# Altium PCB SEG_pressure gauge_don  V2.4.PcbDoc (part 2 of 4)
Units mil, origin at the board's own origin, x right, y up, seen from the top; angles counter-clockwise.
Board outline 2671.27 x 2667.03 mil, 2 copper layers (Top Layer, Bottom Layer); 42 components, 48 nets, 145 pads, 29 vias.
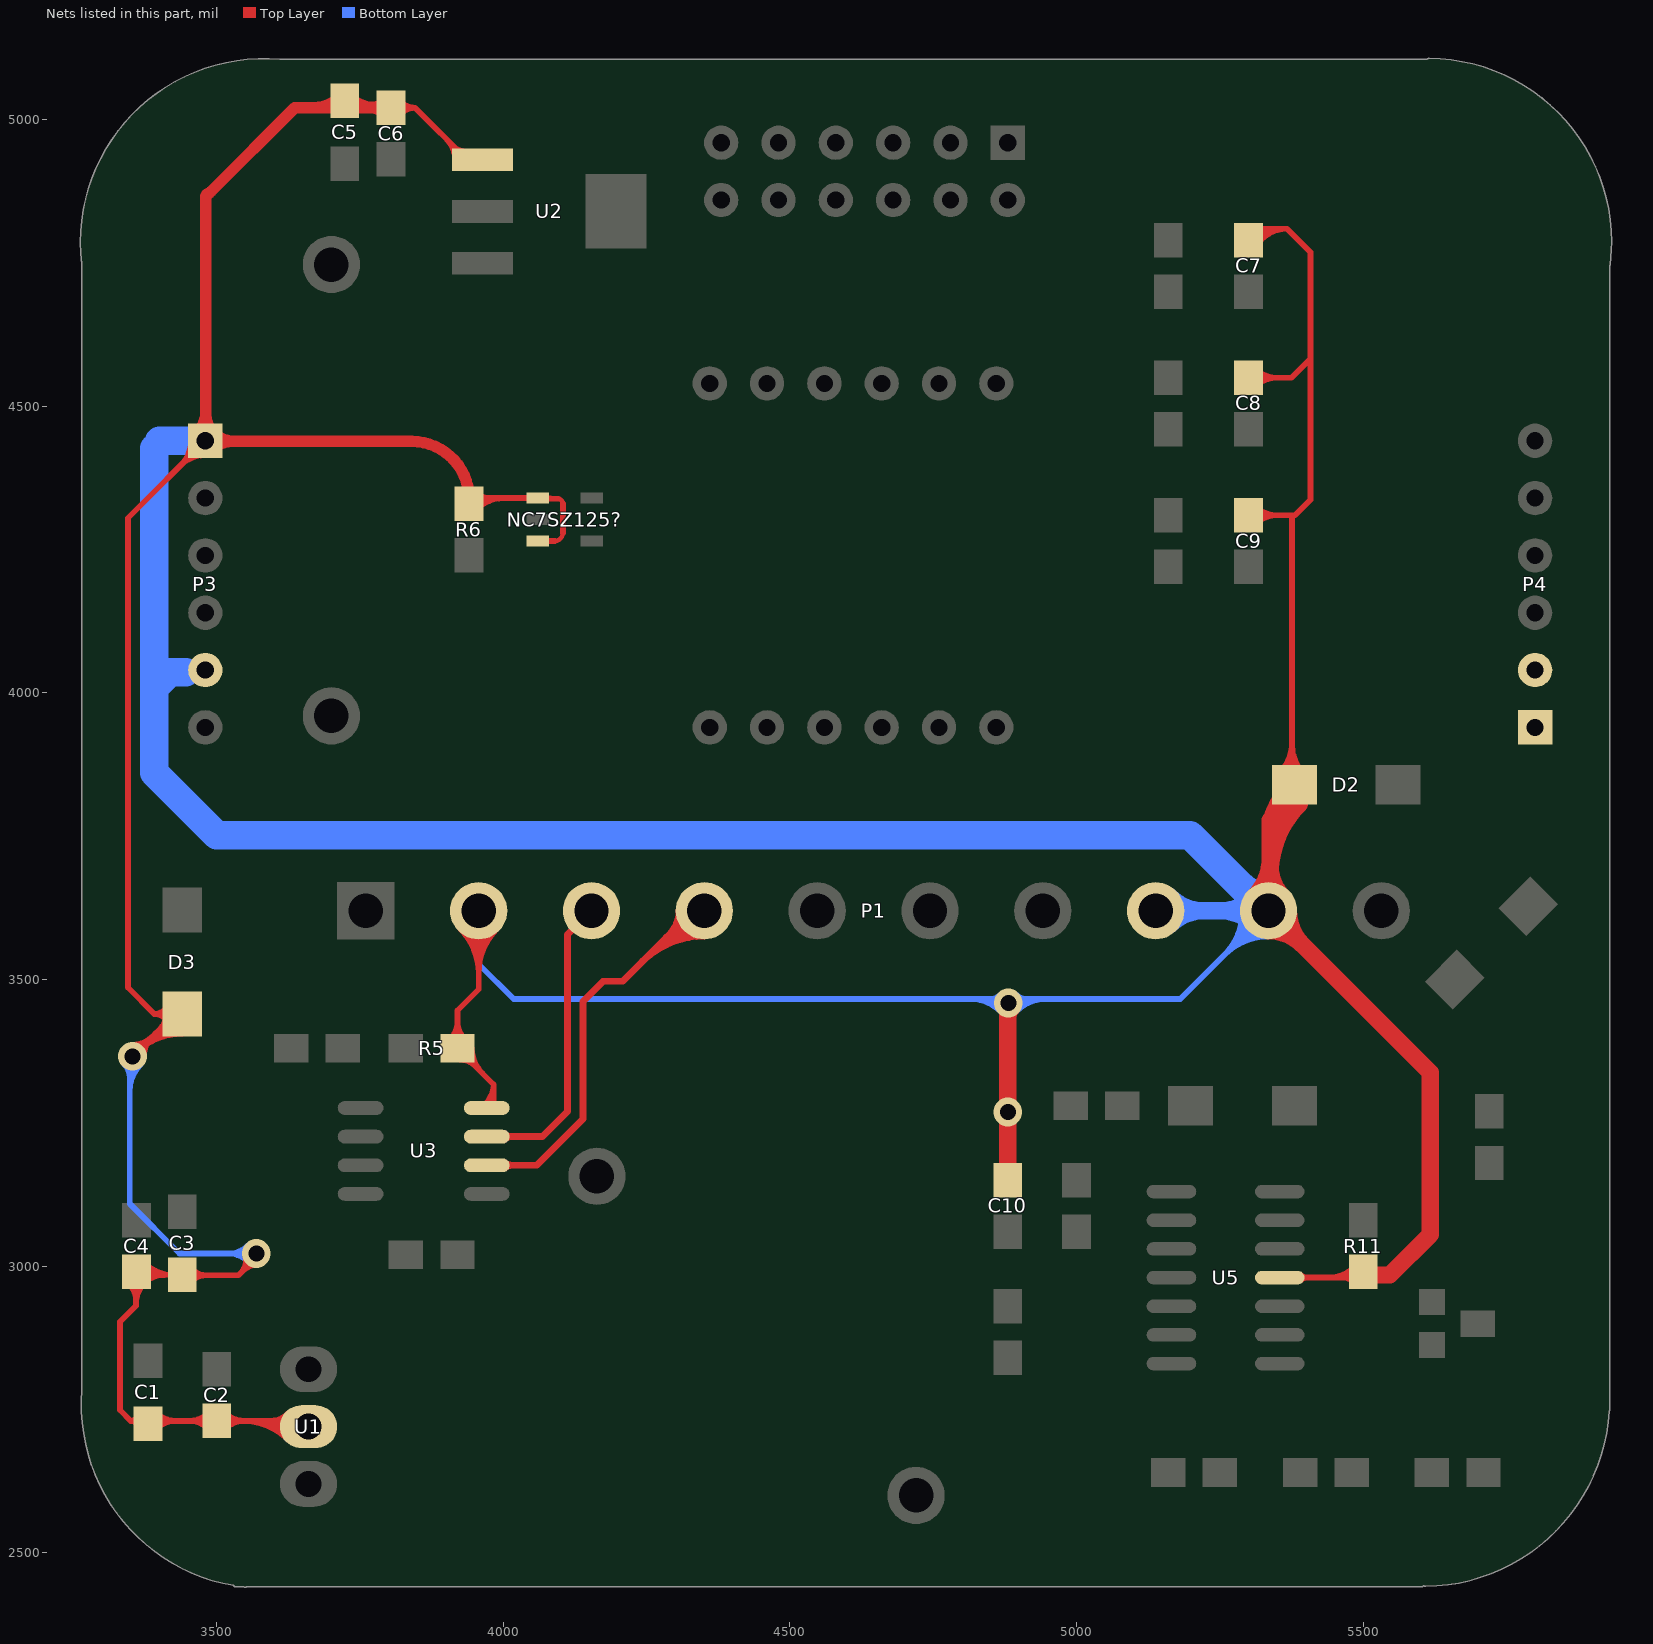
[diagram p2: the nets of this part, all layers, seen from the top]

## Via types
v1: diameter 50, hole 28, Top Layer to Bottom Layer, 21 vias
v2: diameter 31.5, hole 19.68, Top Layer to Bottom Layer, 4 vias
v3: diameter 50, hole 25, Top Layer to Bottom Layer, 2 vias
v4: diameter 31.5, hole 19.68, Top Layer to Bottom Layer, tented top, 2 vias

## Nets (pads, with @x,y where several pads share a name; then routed paths per layer and width w, separated by ;. In a path a pad name is that pad's centre, name@x,y a point inside that pad or via, vN(x,y) a via of type N, cw(c..) or ccw(c..) an arc to the next point about the centre after c; other vN are vias at no path point) (continued)
CHUAN-: C1.2 C2.2 C3.2 C4.2 C5.2 C6.2 C7.2 C8.2 C9.2 C10.2 D2.1 D3.1 NC7SZ125?.1 NC7SZ125?.3 P1.2 P1.8 P1.9 P3.1 P3.5 R5.1 R6.2 R11.2 U1.2 U2.1 U3.4 U5.11 | length 38729.4
  Top Layer w8: NC7SZ125?.1@4061,4339 cw(c4061,4340) NC7SZ125?.1@4060,4340 ccw(c4062,4340) NC7SZ125?.1@4062,4338 ; 4089.8,4265.2 ccw(c4089.8,4279) 4103.6,4279 ; 4096,4338 cw(c4096,4330) 4104,4330 ; C4.2@3345.15,2970.15 cw(c3311.72,2936.72) 3359,2936.72 ; C4.2@3345.15,2970.15 cw(c3311.72,2936.72) 3359,2936.72 ; C4.2@3345.15,2970.15 cw(c3311.72,2936.72) 3359,2936.72 ; 3350,2730 cw(c3350,2719.07) C1.2@3360.27,2722.81 ; 3350,2730 ccw(c3350,2740.93) C1.2@3360.27,2737.19 ; 3350,2730 cw(c3350,2719.07) C1.2@3360.27,2722.81 ; 3350,2730 ccw(c3350,2740.93) C1.2@3360.27,2737.19 ; 3350,2730 cw(c3350,2719.07) C1.2@3360.27,2722.81 ; 3350,2730 ccw(c3350,2740.93) C1.2@3360.27,2737.19 ; 3350,2730 ccw(c3350,2740.93) C1.2@3360.27,2737.19 ; 3350,2730 cw(c3350,2719.07) C1.2@3360.27,2722.81 ; 3350,2730 ccw(c3350,2740.93) C1.2@3360.27,2737.19 ; 3350,2730 cw(c3350,2719.07) C1.2@3360.27,2722.81 ; C4.2@3350.81,2975.81 cw(c3331.03,2956.03) 3359,2956.03 ; C4.2@3350.81,2975.81 cw(c3331.03,2956.03) 3359,2956.03 ; C4.2@3350.81,2975.81 cw(c3331.03,2956.03) 3359,2956.03 ; v1@3353,3379 ccw(c3353,3410.38) 3375.19,3388.19 ; v1@3353,3379 ccw(c3353,3410.38) 3375.19,3388.19 ; v1@3353,3379 ccw(c3353,3410.38) 3375.19,3388.19 ; v1@3353,3387 ccw(c3353,3437.7) 3388.85,3401.85 ; v1@3353,3387 ccw(c3353,3437.7) 3388.85,3401.85 ; v1@3353,3387 ccw(c3353,3437.7) 3388.85,3401.85 ; v1@3357.43,3370.43 cw(c3440,3287.85) D3.1@3440,3404.63 ; v1@3357.43,3370.43 cw(c3440,3287.85) D3.1@3440,3404.63 ; v1@3357.43,3370.43 cw(c3440,3287.85) D3.1@3440,3404.63 ; 3359,2931.89 cw(c3413.11,2931.89) C4.2@3374.85,2970.15 ; 3359,2931.89 cw(c3413.11,2931.89) C4.2@3374.85,2970.15 ; 3359,2931.89 cw(c3413.11,2931.89) C4.2@3374.85,2970.15 ; 3359,2941.3 cw(c3409.7,2941.3) C4.2@3373.85,2977.15 ; 3359,2941.3 ccw(c3308.3,2941.3) 3344.15,2977.15 cw(c3308.3,2941.3) 3359,2941.3 ; 3359,2941.3 cw(c3409.7,2941.3) C4.2@3373.85,2977.15 ; 3359,2951.2 cw(c3393.8,2951.2) C4.2@3369.19,2975.81 ; 3359,2951.2 cw(c3393.8,2951.2) C4.2@3369.19,2975.81 ; 3359,2951.2 cw(c3393.8,2951.2) C4.2@3369.19,2975.81 ; C4.2@3359,2960.62 cw(c3390.38,2960.62) 3368.19,2982.81 ccw(c3390.38,2960.62) C4.2@3359,2960.62 ; C4.2@3359,2960.62 ccw(c3327.62,2960.62) 3349.81,2982.81 cw(c3327.62,2960.62) C4.2@3359,2960.62 ; v1@3366,3366 cw(c3397.38,3366) 3375.19,3388.19 ; v1@3366,3366 cw(c3397.38,3366) 3375.19,3388.19 ; v1@3366,3366 cw(c3397.38,3366) 3375.19,3388.19 ; C4.2@3369.12,2975.73 cw(c3391.1,2953.38) 3391.36,2984.73 ; C4.2@3369.12,2975.73 cw(c3391.1,2953.38) 3391.36,2984.73 ; C4.2@3369.12,2975.73 cw(c3391.1,2953.38) 3391.36,2984.73 ; C4.2@3369.27,2994.12 ccw(c3391.66,3016.14) 3391.4,2984.73 ; C4.2@3369.27,2994.12 ccw(c3391.66,3016.14) 3391.4,2984.73 ; C4.2@3369.27,2994.12 ccw(c3391.66,3016.14) 3391.4,2984.73 ; 3371.08,3384.08 cw(c3440,3315.17) D3.1@3440,3412.63 ; 3371.08,3384.08 cw(c3440,3315.17) D3.1@3440,3412.63 ; 3371.08,3384.08 cw(c3440,3315.17) D3.1@3440,3412.63 ; C4.2@3373.85,2977.15 cw(c3392.8,2958.2) 3392.8,2985 ccw(c3392.8,2958.2) C4.2@3373.85,2977.15 ; v1@3374,3366 cw(c3424.7,3366) 3388.85,3401.85 ; v1@3374,3366 cw(c3424.7,3366) 3388.85,3401.85 ; v1@3374,3366 cw(c3424.7,3366) 3388.85,3401.85 ; C4.2@3374.73,2970.03 cw(c3410.26,2933.9) 3410.68,2984.57 ; C4.2@3374.73,2970.03 cw(c3410.26,2933.9) 3410.68,2984.57 ; C4.2@3374.73,2970.03 cw(c3410.26,2933.9) 3410.68,2984.57 ; C4.2@3374.97,2999.73 ccw(c3411.14,3035.3) 3410.72,2984.57 ; C4.2@3374.97,2999.73 ccw(c3411.14,3035.3) 3410.72,2984.57 ; C4.2@3374.97,2999.73 ccw(c3411.14,3035.3) 3410.72,2984.57 ; 3384.74,3397.74 cw(c3440,3342.48) D3.1@3440,3420.63 ; 3384.74,3397.74 cw(c3440,3342.48) D3.1@3440,3420.63 ; 3384.74,3397.74 cw(c3440,3342.48) D3.1@3440,3420.63 ; C1.2@3389.19,2720.81 cw(c3411.38,2698.62) 3411.38,2730 ; C1.2@3389.19,2720.81 cw(c3411.38,2698.62) 3411.38,2730 ; C1.2@3389.19,2720.81 cw(c3411.38,2698.62) 3411.38,2730 ; C1.2@3389.19,2720.81 cw(c3411.38,2698.62) 3411.38,2730 ; C1.2@3389.19,2720.81 cw(c3411.38,2698.62) 3411.38,2730 ; C1.2@3389.19,2739.19 ccw(c3411.38,2761.38) 3411.38,2730 ; C1.2@3389.19,2739.19 ccw(c3411.38,2761.38) 3411.38,2730 ; C1.2@3389.19,2739.19 ccw(c3411.38,2761.38) 3411.38,2730 ; C1.2@3389.19,2739.19 ccw(c3411.38,2761.38) 3411.38,2730 ; C1.2@3389.19,2739.19 ccw(c3411.38,2761.38) 3411.38,2730 ; 3391,3440 cw(c3391,3415.8) D3.1@3412.7,3426.52 ; 3391,3440 ccw(c3391,3464.2) D3.1@3412.7,3453.48 ; 3391,3440 cw(c3391,3415.8) D3.1@3412.7,3426.52 ; 3391,3440 ccw(c3391,3464.2) D3.1@3412.7,3453.48 ; 3391,3440 ccw(c3391,3464.2) D3.1@3412.7,3453.48 ; 3391,3440 cw(c3391,3415.8) D3.1@3412.7,3426.52 ; C1.2@3394.85,2715.15 cw(c3430.7,2679.3) 3430.7,2730 ; C1.2@3394.85,2715.15 cw(c3430.7,2679.3) 3430.7,2730 ; C1.2@3394.85,2715.15 cw(c3430.7,2679.3) 3430.7,2730 ; C1.2@3394.85,2715.15 cw(c3430.7,2679.3) 3430.7,2730 ; C1.2@3394.85,2715.15 cw(c3430.7,2679.3) 3430.7,2730 ; C1.2@3394.85,2744.85 ccw(c3430.7,2780.7) 3430.7,2730 ; C1.2@3394.85,2744.85 ccw(c3430.7,2780.7) 3430.7,2730 ; C1.2@3394.85,2744.85 ccw(c3430.7,2780.7) 3430.7,2730 ; C1.2@3394.85,2744.85 ccw(c3430.7,2780.7) 3430.7,2730 ; C1.2@3394.85,2744.85 ccw(c3430.7,2780.7) 3430.7,2730 ; 3398.4,3411.4 cw(c3440,3369.8) D3.1@3440,3428.63 ; 3398.4,3411.4 cw(c3440,3369.8) D3.1@3440,3428.63 ; 3398.4,3411.4 cw(c3440,3369.8) D3.1@3440,3428.63 ; 3400.69,3413.69 ccw(c3379.31,3435.08) D3.1@3409.55,3435.08 ; 3400.69,3413.69 ccw(c3379.31,3435.08) D3.1@3409.55,3435.08 ; 3400.69,3413.69 ccw(c3379.31,3435.08) D3.1@3409.55,3435.08 ; 3403.88,3440 cw(c3403.88,3422.16) D3.1@3419.87,3430.06 ; 3403.88,3440 ccw(c3403.88,3457.84) D3.1@3419.87,3449.94 ; 3403.88,3440 cw(c3403.88,3422.16) D3.1@3419.87,3430.06 ; 3403.88,3440 ccw(c3403.88,3457.84) D3.1@3419.87,3449.94 ; 3403.88,3440 ccw(c3403.88,3457.84) D3.1@3419.87,3449.94 ; 3403.88,3440 cw(c3403.88,3422.16) D3.1@3419.87,3430.06 ; 3409.3,2985 cw(c3409.3,2934.3) 3445.15,2970.15 ccw(c3409.3,2934.3) 3409.3,2985 ; 3409.3,2985 ccw(c3409.3,3035.7) 3445.15,2999.85 cw(c3409.3,3035.7) 3409.3,2985 ; C3.2@3428.62,2985 cw(c3428.62,2953.62) 3450.81,2975.81 ccw(c3428.62,2953.62) C3.2@3428.62,2985 ; C3.2@3428.62,2985 ccw(c3428.62,3016.38) 3450.81,2994.19 cw(c3428.62,3016.38) C3.2@3428.62,2985 ; 3435.62,4395.62 cw(c3480,4351.23) P3.1@3480,4414 ; 3435.62,4395.62 ccw(c3391.23,4440) P3.1@3454,4440 ; 3435.62,4395.62 cw(c3480,4351.23) P3.1@3480,4414 ; 3435.62,4395.62 ccw(c3391.23,4440) P3.1@3454,4440 ; 3435.62,4395.62 cw(c3480,4351.23) P3.1@3480,4414 ; 3435.62,4395.62 ccw(c3391.23,4440) P3.1@3454,4440 ; 3435.62,4395.62 ccw(c3391.23,4440) P3.1@3454,4440 ; 3435.62,4395.62 cw(c3480,4351.23) P3.1@3480,4414 ; 3435.62,4395.62 ccw(c3391.23,4440) P3.1@3454,4440 ; 3435.62,4395.62 cw(c3480,4351.23) P3.1@3480,4414 ; 3449.27,4409.27 cw(c3480,4378.54) P3.1@3480,4422 ; 3449.27,4409.27 ccw(c3418.54,4440) P3.1@3462,4440 ; 3449.27,4409.27 cw(c3480,4378.54) P3.1@3480,4422 ; 3449.27,4409.27 ccw(c3418.54,4440) P3.1@3462,4440 ; 3449.27,4409.27 cw(c3480,4378.54) P3.1@3480,4422 ; 3449.27,4409.27 ccw(c3418.54,4440) P3.1@3462,4440 ; 3449.27,4409.27 ccw(c3418.54,4440) P3.1@3462,4440 ; 3449.27,4409.27 cw(c3480,4378.54) P3.1@3480,4422 ; 3449.27,4409.27 ccw(c3418.54,4440) P3.1@3462,4440 ; 3449.27,4409.27 cw(c3480,4378.54) P3.1@3480,4422 ; 3449.3,2730 cw(c3449.3,2679.3) C2.2@3485.15,2715.15 ; 3449.3,2730 ccw(c3449.3,2780.7) C2.2@3485.15,2744.85 ; 3449.3,2730 cw(c3449.3,2679.3) C2.2@3485.15,2715.15 ; 3449.3,2730 ccw(c3449.3,2780.7) C2.2@3485.15,2744.85 ; 3449.3,2730 ccw(c3449.3,2780.7) C2.2@3485.15,2744.85 ; 3449.3,2730 cw(c3449.3,2679.3) C2.2@3485.15,2715.15 ; C3.2@3450.95,2992.01 ccw(c3465.37,3001.24) 3465.23,2984.12 ; C3.2@3450.95,2992.01 ccw(c3465.37,3001.24) 3465.23,2984.12 ; C3.2@3450.95,2992.01 ccw(c3465.37,3001.24) 3465.23,2984.12 ; C3.2@3456.86,2972.48 cw(c3479.76,2955.49) 3479.99,2984 ; C3.2@3456.86,2972.48 cw(c3479.76,2955.49) 3479.99,2984 ; C3.2@3456.86,2972.48 cw(c3479.76,2955.49) 3479.99,2984 ; C3.2@3457.68,2996.32 ccw(c3480.21,3010.75) 3479.99,2984 ; C3.2@3457.68,2996.32 ccw(c3480.21,3010.75) 3479.99,2984 ; C3.2@3457.68,2996.32 ccw(c3480.21,3010.75) 3479.99,2984 ; 3468.62,2730 cw(c3468.62,2698.62) C2.2@3490.81,2720.81 ; 3468.62,2730 ccw(c3468.62,2761.38) C2.2@3490.81,2739.19 ; 3468.62,2730 cw(c3468.62,2698.62) C2.2@3490.81,2720.81 ; 3468.62,2730 ccw(c3468.62,2761.38) C2.2@3490.81,2739.19 ; 3468.62,2730 ccw(c3468.62,2761.38) C2.2@3490.81,2739.19 ; 3468.62,2730 cw(c3468.62,2698.62) C2.2@3490.81,2720.81 ; C2.2@3509.19,2720.81 cw(c3531.38,2698.62) 3531.38,2730 ; C2.2@3509.19,2720.81 cw(c3531.38,2698.62) 3531.38,2730 ; C2.2@3509.19,2720.81 cw(c3531.38,2698.62) 3531.38,2730 ; C2.2@3509.19,2739.19 ccw(c3531.38,2761.38) 3531.38,2730 ; C2.2@3509.19,2739.19 ccw(c3531.38,2761.38) 3531.38,2730 ; C2.2@3509.19,2739.19 ccw(c3531.38,2761.38) 3531.38,2730 ; C2.2@3514.85,2715.15 cw(c3550.7,2679.3) 3550.7,2730 ; C2.2@3514.85,2715.15 cw(c3550.7,2679.3) 3550.7,2730 ; C2.2@3514.85,2715.15 cw(c3550.7,2679.3) 3550.7,2730 ; C2.2@3514.85,2744.85 ccw(c3550.7,2780.7) 3550.7,2730 ; C2.2@3514.85,2744.85 ccw(c3550.7,2780.7) 3550.7,2730 ; C2.2@3514.85,2744.85 ccw(c3550.7,2780.7) 3550.7,2730 ; 3541.5,2987.5 ccw(c3520.99,3008.01) v1@3548.84,3016.13 ; 3541.5,2987.5 ccw(c3520.99,3008.01) v1@3548.84,3016.13 ; 3541.5,2987.5 ccw(c3520.99,3008.01) v1@3548.84,3016.13 ; 3542.48,2730 cw(c3542.48,2614.98) U1.2@3623.81,2696.31 ; 3542.48,2730 cw(c3542.48,2614.98) U1.2@3623.81,2696.31 ; 3542.48,2730 cw(c3542.48,2614.98) U1.2@3623.81,2696.31 ; 3545.1,2991.1 cw(c3569,2967.2) v1@3569,3001 ; 3545.1,2991.1 cw(c3569,2967.2) v1@3569,3001 ; 3545.1,2991.1 cw(c3569,2967.2) v1@3569,3001 ; 3551.06,2997.06 ccw(c3535.79,3012.32) v1@3556.52,3018.36 ; 3551.06,2997.06 ccw(c3535.79,3012.32) v1@3556.52,3018.36 ; 3551.06,2997.06 ccw(c3535.79,3012.32) v1@3556.52,3018.36 ; 3561.8,2730 cw(c3561.8,2634.3) U1.2@3629.47,2701.97 ; 3561.8,2730 cw(c3561.8,2634.3) U1.2@3629.47,2701.97 ; 3561.8,2730 cw(c3561.8,2634.3) U1.2@3629.47,2701.97 ; 3581.11,2730 cw(c3581.11,2653.61) U1.2@3635.13,2707.63 ; 3581.11,2730 cw(c3581.11,2653.61) U1.2@3635.13,2707.63 ; 3581.11,2730 cw(c3581.11,2653.61) U1.2@3635.13,2707.63 ; 3590.77,2730 ccw(c3590.77,2776.73) U1.2@3623.81,2743.69 ; 3590.77,2730 ccw(c3590.77,2776.73) U1.2@3623.81,2743.69 ; 3590.77,2730 ccw(c3590.77,2776.73) U1.2@3623.81,2743.69 ; 3600.42,2730 cw(c3600.42,2672.92) U1.2@3640.78,2713.28 ; 3600.42,2730 cw(c3600.42,2672.92) U1.2@3640.78,2713.28 ; 3600.42,2730 cw(c3600.42,2672.92) U1.2@3640.78,2713.28 ; 3610.08,2730 ccw(c3610.08,2757.42) U1.2@3629.47,2738.03 ; 3610.08,2730 ccw(c3610.08,2757.42) U1.2@3629.47,2738.03 ; 3610.08,2730 ccw(c3610.08,2757.42) U1.2@3629.47,2738.03 ; 3769,5021 cw(c3769,5002.34) C6.2@3785.47,5011.12 ; 3769,5021 ccw(c3769,5039.66) C6.2@3785.47,5030.88 ; 3769,5021 cw(c3769,5002.34) C6.2@3785.47,5011.12 ; 3769,5021 ccw(c3769,5039.66) C6.2@3785.47,5030.88 ; 3769,5021 cw(c3769,5002.34) C6.2@3785.47,5011.12 ; 3769,5021 ccw(c3769,5039.66) C6.2@3785.47,5030.88 ; 3769,5021 ccw(c3769,5039.66) C6.2@3785.47,5030.88 ; 3769,5021 cw(c3769,5002.34) C6.2@3785.47,5011.12 ; 3769,5021 ccw(c3769,5039.66) C6.2@3785.47,5030.88 ; 3769,5021 cw(c3769,5002.34) C6.2@3785.47,5011.12 ; C4.2@3362.54,2995.54 ccw(c3387.97,3020.97) 3387.97,2985 cw(c3387.97,3020.97) C4.2@3362.54,2995.54 ; C4.2@3368.19,3001.19 ccw(c3407.28,3040.28) 3407.28,2985 cw(c3407.28,3040.28) C4.2@3368.19,3001.19 ; C4.2@3373.85,3006.85 ccw(c3426.6,3059.6) 3426.6,2985 cw(c3426.6,3059.6) C4.2@3373.85,3006.85
  Top Layer w10: C4.2@3345.86,2970.86 cw(c3314.13,2939.13) 3359,2939.13 ; v1(3353,3366) D3.1@3427,3440 ; v1@3353,3386 ccw(c3353,3434.28) 3387.14,3400.14 ccw(c3421.28,3366) v1@3373,3366 ; 3359,2934.3 cw(c3410.7,2934.3) C4.2@3374.14,2970.86 ; 3359,2958.44 cw(c3386.56,2958.44) C4.2@3367.07,2977.93 ; v1@3359.13,3372.13 cw(c3440,3291.27) D3.1@3440,3405.63 ; C1.2@3361.54,2722.31 ccw(c3350,2717.5) 3350,2730 ; C1.2@3361.54,2737.69 cw(c3350,2742.5) 3350,2730 ; C4.2@3374.02,2970.74 cw(c3407.86,2936.34) 3408.26,2984.59 ; C4.2@3374.26,2999.02 ccw(c3408.7,3032.9) 3408.3,2984.59 ; 3376.21,3389.21 cw(c3440,3325.41) D3.1@3440,3415.63 ; 3393.28,3406.28 cw(c3440,3359.55) D3.1@3440,3425.63 ; C1.2@3394.14,2715.86 cw(c3428.28,2681.72) 3428.28,2730 cw(c3428.28,2778.28) C1.2@3394.14,2744.14 ; 3402.4,3415.4 ccw(c3382.72,3435.08) D3.1@3410.55,3435.08 ; D3.1@3414,3426.18 ccw(c3391,3413.96) 3391,3440 ; D3.1@3414,3453.82 cw(c3391,3466.04) 3391,3440 ; D3.1@3440,3440 D3.1@3427,3440 ; P3.1@3455,4440 cw(c3394.64,4440) 3437.32,4397.32 cw(c3480,4354.64) P3.1@3480,4415 ; C3.2@3455.57,2972.44 cw(c3479.74,2952.95) 3479.99,2984 ; C3.2@3456.41,2996.44 ccw(c3480.23,3013.04) 3479.99,2984 ; P3.1@3465,4440 cw(c3428.79,4440) 3454.39,4414.39 cw(c3480,4388.79) P3.1@3480,4425 ; P3.1@3480,4440 3345,4305 3345,3486 3391,3440 ; P3.1@3481,4441 3481,4661 3482,4662 3482,4867 3490,4875 ; C2.2@3485.86,2715.86 ccw(c3451.72,2681.72) 3451.72,2730 ccw(c3451.72,2778.28) C2.2@3485.86,2744.14 ; C2.2@3514.14,2715.86 cw(c3548.28,2681.72) 3548.28,2730 cw(c3548.28,2778.28) C2.2@3514.14,2744.14 ; 3541.5,2987.5 ccw(c3519.59,3009.41) v1@3549.62,3017.06 ; 3544.9,2730 cw(c3544.9,2617.4) U1.2@3624.52,2697.02 ; 3546.81,2992.81 cw(c3569,2970.62) v1@3569,3002 ; 3553.93,2999.93 ccw(c3539.39,3014.46) v1@3559.31,3019.53 ; v1@3566,3021 3566,3012 3538,2984 3480,2984 ; 3569.04,2730 cw(c3569.04,2641.54) U1.2@3631.59,2704.09 ; U1.2@3624.52,2742.98 cw(c3593.18,2774.32) 3593.18,2730 cw(c3593.18,2665.68) U1.2@3638.66,2711.16 ; U1.2@3663,2700 3633,2730 3350,2730 ; C6.2@3786.77,5010.85 ccw(c3769,5000.38) 3769,5021 ; C6.2@3786.77,5031.15 cw(c3769,5041.62) 3769,5021 ; R6.2@3947.07,4327.93 cw(c3976.21,4298.79) 3976.21,4340 cw(c3976.21,4371.21) R6.2@3954.14,4349.14 ; R6.2@3950,4340 NC7SZ125?.1@4060,4340 ; R6.2@3954.14,4320.86 cw(c4000.36,4274.64) 4000.36,4340 ; P1.2@3956.85,3620 3956.85,3482.85 3920,3446 R5.1@3920,3380 3983,3317 ; U2.1@3963.86,4930.55 3936.45,4930.55 3846,5021 ; U3.4@3971,3276 3983,3288 3983,3317 ; NC7SZ125?.1@4046.73,4336.58 ccw(c4038.47,4328.31) 4038.47,4340 ccw(c4038.47,4351.69) NC7SZ125?.1@4046.73,4343.42 ; NC7SZ125?.3@4060,4265.2 4089.8,4265.2 ; NC7SZ125?.1@4061,4339 4096,4339 ; NC7SZ125?.3@4073.27,4261.77 cw(c4081.53,4253.51) 4081.53,4265.2 cw(c4081.53,4276.89) NC7SZ125?.3@4073.27,4268.62 ; NC7SZ125?.1@4073.27,4343.42 ccw(c4083.95,4354.1) 4083.95,4339 ; 4104,4279 4104,4330 ; C9.2@5300,4310 5376,4310 ; C8.2@5300,4550 5375,4550 5408,4583 ; C7.2@5300,4790 5320,4810 5367,4810 ; C7.2@5300,4795 cw(c5328.71,4775.02) 5328.71,4810 ; C7.2@5308.21,4789.29 cw(c5347.86,4761.7) 5347.86,4810 ; C9.2@5314.14,4295.86 cw(c5348.28,4261.72) 5348.28,4310 cw(c5348.28,4358.28) C9.2@5314.14,4324.14 ; C8.2@5314.14,4535.86 cw(c5348.28,4501.72) 5348.28,4550 cw(c5348.28,4598.28) C8.2@5314.14,4564.14 ; C7.2@5316.42,4783.58 cw(c5367,4748.38) 5367,4810 ; D2.1@5354.26,3860.82 ccw(c5301.76,3913.32) 5376,3913.32 ; U5.11@5354.49,2980 5490,2980 5494.5,2984.5 R11.2@5500,2990 ; D2.1@5361.33,3853.75 ccw(c5325.9,3889.18) 5376,3889.18 ; 5376,3884.73 ccw(c5419.81,3884.73) D2.1@5388.83,3853.75 ; 5376,3908.87 ccw(c5443.95,3908.87) D2.1@5395.9,3860.82 ; D2.1@5380,3840 5376,3844 5376,4310 ; U5.11@5390.8,2975.18 cw(c5402.43,2963.56) 5402.43,2980 cw(c5402.43,2996.44) U5.11@5390.8,2984.82 ; 5439.64,2980 ccw(c5439.64,3045.36) R11.2@5485.86,2999.14 ; R11.2@5485.86,2970.86 ccw(c5463.79,2948.79) 5463.79,2980 ccw(c5463.79,3021.21) R11.2@5492.93,2992.07 ; 3350,2730 3331,2749 3331,2903 3359,2931 3359,2985 3359.96,2984.99 3439.99,2984.33 3480,2984 ; 3391,3440 D3.1@3427,3440 ; P3.1@3462.32,4457.68 ccw(c3417.23,4502.77) 3481,4502.77 ; P3.1@3462.32,4457.68 ccw(c3417.23,4502.77) 3481,4502.77 ; P3.1@3462.32,4457.68 ccw(c3417.23,4502.77) 3481,4502.77 ; P3.1@3462.32,4457.68 ccw(c3417.23,4502.77) 3481,4502.77 ; P3.1@3462.32,4457.68 ccw(c3417.23,4502.77) 3481,4502.77 ; P3.1@3462.32,4457.68 ccw(c3417.23,4502.77) 3481,4502.77 ; P3.1@3469.39,4450.61 ccw(c3441.37,4478.63) 3481,4478.63 ; P3.1@3469.39,4450.61 ccw(c3441.37,4478.63) 3481,4478.63 ; P3.1@3469.39,4450.61 ccw(c3441.37,4478.63) 3481,4478.63 ; P3.1@3469.39,4450.61 ccw(c3441.37,4478.63) 3481,4478.63 ; P3.1@3469.39,4450.61 ccw(c3441.37,4478.63) 3481,4478.63 ; P3.1@3469.39,4450.61 ccw(c3441.37,4478.63) 3481,4478.63 ; 3481,4473.8 ccw(c3513.8,4473.8) P3.1@3490.61,4450.61 ; 3481,4473.8 ccw(c3513.8,4473.8) P3.1@3490.61,4450.61 ; 3481,4473.8 ccw(c3513.8,4473.8) P3.1@3490.61,4450.61 ; 3481,4473.8 ccw(c3513.8,4473.8) P3.1@3490.61,4450.61 ; 3481,4473.8 ccw(c3513.8,4473.8) P3.1@3490.61,4450.61 ; 3481,4473.8 ccw(c3513.8,4473.8) P3.1@3490.61,4450.61 ; 3481,4497.94 ccw(c3537.94,4497.94) P3.1@3497.68,4457.68 ; 3481,4497.94 ccw(c3537.94,4497.94) P3.1@3497.68,4457.68 ; 3481,4497.94 ccw(c3537.94,4497.94) P3.1@3497.68,4457.68 ; 3481,4497.94 ccw(c3537.94,4497.94) P3.1@3497.68,4457.68 ; 3481,4497.94 ccw(c3537.94,4497.94) P3.1@3497.68,4457.68 ; 3481,4497.94 ccw(c3537.94,4497.94) P3.1@3497.68,4457.68 ; 3657.82,5021 ccw(c3657.82,5093.18) C5.2@3708.86,5042.14 ; 3657.82,5021 ccw(c3657.82,5093.18) C5.2@3708.86,5042.14 ; 3657.82,5021 ccw(c3657.82,5093.18) C5.2@3708.86,5042.14 ; 3657.82,5021 ccw(c3657.82,5093.18) C5.2@3708.86,5042.14 ; 3657.82,5021 ccw(c3657.82,5093.18) C5.2@3708.86,5042.14 ; 3681.96,5021 ccw(c3681.96,5069.04) C5.2@3715.93,5035.07 ; 3681.96,5021 ccw(c3681.96,5069.04) C5.2@3715.93,5035.07 ; 3681.96,5021 ccw(c3681.96,5069.04) C5.2@3715.93,5035.07 ; 3681.96,5021 ccw(c3681.96,5069.04) C5.2@3715.93,5035.07 ; 3681.96,5021 ccw(c3681.96,5069.04) C5.2@3715.93,5035.07 ; 3691.62,5021 cw(c3691.62,4996.62) C5.2@3708.86,5013.86 ; 3691.62,5021 cw(c3691.62,4996.62) C5.2@3708.86,5013.86 ; 3691.62,5021 cw(c3691.62,4996.62) C5.2@3708.86,5013.86 ; 3691.62,5021 cw(c3691.62,4996.62) C5.2@3708.86,5013.86 ; 3691.62,5021 cw(c3691.62,4996.62) C5.2@3708.86,5013.86 ; C5.2@3730.07,5035.07 ccw(c3764.04,5069.04) 3764.04,5021 ; C5.2@3730.07,5035.07 ccw(c3764.04,5069.04) 3764.04,5021 ; C5.2@3730.07,5035.07 ccw(c3764.04,5069.04) 3764.04,5021 ; C5.2@3730.07,5035.07 ccw(c3764.04,5069.04) 3764.04,5021 ; C5.2@3730.07,5035.07 ccw(c3764.04,5069.04) 3764.04,5021 ; C5.2@3737.14,5013.86 cw(c3754.38,4996.62) 3754.38,5021 ; C5.2@3737.14,5013.86 cw(c3754.38,4996.62) 3754.38,5021 ; C5.2@3737.14,5013.86 cw(c3754.38,4996.62) 3754.38,5021 ; C5.2@3737.14,5013.86 cw(c3754.38,4996.62) 3754.38,5021 ; C5.2@3737.14,5013.86 cw(c3754.38,4996.62) 3754.38,5021 ; C5.2@3737.14,5042.14 ccw(c3788.18,5093.18) C6.2@3788.18,5021 ; C5.2@3737.14,5042.14 ccw(c3788.18,5093.18) C6.2@3788.18,5021 ; C5.2@3737.14,5042.14 ccw(c3788.18,5093.18) C6.2@3788.18,5021 ; C5.2@3737.14,5042.14 ccw(c3788.18,5093.18) C6.2@3788.18,5021 ; C5.2@3737.14,5042.14 ccw(c3788.18,5093.18) C6.2@3788.18,5021 ; 3755.72,5021 cw(c3755.72,4972.72) C6.2@3789.86,5006.86 ; 3755.72,5021 ccw(c3755.72,5069.28) C6.2@3789.86,5035.14 ; 3755.72,5021 cw(c3755.72,4972.72) C6.2@3789.86,5006.86 ; 3755.72,5021 ccw(c3755.72,5069.28) C6.2@3789.86,5035.14 ; 3755.72,5021 cw(c3755.72,4972.72) C6.2@3789.86,5006.86 ; 3755.72,5021 ccw(c3755.72,5069.28) C6.2@3789.86,5035.14 ; 3755.72,5021 ccw(c3755.72,5069.28) C6.2@3789.86,5035.14 ; 3755.72,5021 cw(c3755.72,4972.72) C6.2@3789.86,5006.86 ; 3755.72,5021 ccw(c3755.72,5069.28) C6.2@3789.86,5035.14 ; 3755.72,5021 cw(c3755.72,4972.72) C6.2@3789.86,5006.86 ; 3769,5021 C6.2@3804,5021 3846,5021 ; C6.2@3819.53,5008.39 cw(c3846,4986.9) 3846,5021 ; C6.2@3819.53,5008.39 cw(c3846,4986.9) 3846,5021 ; C6.2@3819.53,5008.39 cw(c3846,4986.9) 3846,5021 ; C6.2@3819.53,5008.39 cw(c3846,4986.9) 3846,5021 ; C6.2@3819.53,5008.39 cw(c3846,4986.9) 3846,5021 ; C6.2@3819.53,5008.39 cw(c3846,4986.9) 3846,5021 ; C6.2@3819.53,5033.61 ccw(c3846,5055.1) 3846,5021 ; C6.2@3819.53,5033.61 ccw(c3846,5055.1) 3846,5021 ; C6.2@3819.53,5033.61 ccw(c3846,5055.1) 3846,5021 ; C6.2@3819.53,5033.61 ccw(c3846,5055.1) 3846,5021 ; C6.2@3819.53,5033.61 ccw(c3846,5055.1) 3846,5021 ; C6.2@3819.53,5033.61 ccw(c3846,5055.1) 3846,5021 ; 3901.04,4965.96 cw(c3865.64,4930.55) U2.1@3915.71,4930.55 ; 3901.04,4965.96 cw(c3865.64,4930.55) U2.1@3915.71,4930.55 ; 3901.04,4965.96 cw(c3865.64,4930.55) U2.1@3915.71,4930.55 ; 3901.04,4965.96 cw(c3865.64,4930.55) U2.1@3915.71,4930.55 ; 3901.04,4965.96 cw(c3865.64,4930.55) U2.1@3915.71,4930.55 ; 3901.04,4965.96 cw(c3865.64,4930.55) U2.1@3915.71,4930.55 ; R5.1@3905.86,3394.14 ccw(c3871.72,3428.28) 3920,3428.28 ; R5.1@3905.86,3394.14 ccw(c3871.72,3428.28) 3920,3428.28 ; R5.1@3905.86,3394.14 ccw(c3871.72,3428.28) 3920,3428.28 ; R5.1@3905.86,3394.14 ccw(c3871.72,3428.28) 3920,3428.28 ; R5.1@3905.86,3394.14 ccw(c3871.72,3428.28) 3920,3428.28 ; 3915.66,4951.34 ccw(c3930.39,4966.07) U2.1@3930.39,4945.24 ; 3915.66,4951.34 ccw(c3930.39,4966.07) U2.1@3930.39,4945.24 ; 3915.66,4951.34 ccw(c3930.39,4966.07) U2.1@3930.39,4945.24 ; 3915.66,4951.34 ccw(c3930.39,4966.07) U2.1@3930.39,4945.24 ; 3915.66,4951.34 ccw(c3930.39,4966.07) U2.1@3930.39,4945.24 ; 3915.66,4951.34 ccw(c3930.39,4966.07) U2.1@3930.39,4945.24 ; U2.1@3918.11,4948.89 cw(c3899.78,4930.55) U2.1@3925.71,4930.55 ; U2.1@3918.11,4948.89 cw(c3899.78,4930.55) U2.1@3925.71,4930.55 ; U2.1@3918.11,4948.89 cw(c3899.78,4930.55) U2.1@3925.71,4930.55 ; U2.1@3918.11,4948.89 cw(c3899.78,4930.55) U2.1@3925.71,4930.55 ; U2.1@3918.11,4948.89 cw(c3899.78,4930.55) U2.1@3925.71,4930.55 ; U2.1@3918.11,4948.89 cw(c3899.78,4930.55) U2.1@3925.71,4930.55 ; 3920,3428.28 ccw(c3968.28,3428.28) R5.1@3934.14,3394.14 ; 3920,3428.28 ccw(c3968.28,3428.28) R5.1@3934.14,3394.14 ; 3920,3428.28 ccw(c3968.28,3428.28) R5.1@3934.14,3394.14 ; 3920,3428.28 ccw(c3968.28,3428.28) R5.1@3934.14,3394.14 ; 3920,3428.28 ccw(c3968.28,3428.28) R5.1@3934.14,3394.14 ; R5.1@3925,3360 cw(c3925,3323.79) 3950.61,3349.39 ; R5.1@3925,3360 cw(c3925,3323.79) 3950.61,3349.39 ; R5.1@3925,3360 cw(c3925,3323.79) 3950.61,3349.39 ; R5.1@3925,3360 cw(c3925,3323.79) 3950.61,3349.39 ; R5.1@3925,3360 cw(c3925,3323.79) 3950.61,3349.39 ; P1.2@3925.03,3588.18 cw(c3848.21,3511.36) 3956.85,3511.36 ; P1.2@3925.03,3588.18 cw(c3848.21,3511.36) 3956.85,3511.36 ; P1.2@3925.03,3588.18 cw(c3848.21,3511.36) 3956.85,3511.36 ; P1.2@3925.03,3588.18 cw(c3848.21,3511.36) 3956.85,3511.36 ; P1.2@3925.03,3588.18 cw(c3848.21,3511.36) 3956.85,3511.36 ; P1.2@3932.1,3595.25 cw(c3872.35,3535.5) 3956.85,3535.5 ; P1.2@3932.1,3595.25 cw(c3872.35,3535.5) 3956.85,3535.5 ; P1.2@3932.1,3595.25 cw(c3872.35,3535.5) 3956.85,3535.5 ; P1.2@3932.1,3595.25 cw(c3872.35,3535.5) 3956.85,3535.5 ; P1.2@3932.1,3595.25 cw(c3872.35,3535.5) 3956.85,3535.5 ; R5.1@3935,3380 ccw(c3971.21,3380) 3945.61,3354.39 ; R5.1@3935,3380 ccw(c3971.21,3380) 3945.61,3354.39 ; R5.1@3935,3380 ccw(c3971.21,3380) 3945.61,3354.39 ; R5.1@3935,3380 ccw(c3971.21,3380) 3945.61,3354.39 ; R5.1@3935,3380 ccw(c3971.21,3380) 3945.61,3354.39 ; P1.2@3939.17,3602.32 cw(c3896.49,3559.64) 3956.85,3559.64 ; P1.2@3939.17,3602.32 cw(c3896.49,3559.64) 3956.85,3559.64 ; P1.2@3939.17,3602.32 cw(c3896.49,3559.64) 3956.85,3559.64 ; P1.2@3939.17,3602.32 cw(c3896.49,3559.64) 3956.85,3559.64 ; P1.2@3939.17,3602.32 cw(c3896.49,3559.64) 3956.85,3559.64 ; R5.1@3945,3380 ccw(c4005.36,3380) 3962.68,3337.32 ; R5.1@3945,3380 ccw(c4005.36,3380) 3962.68,3337.32 ; R5.1@3945,3380 ccw(c4005.36,3380) 3962.68,3337.32 ; R5.1@3945,3380 ccw(c4005.36,3380) 3962.68,3337.32 ; R5.1@3945,3380 ccw(c4005.36,3380) 3962.68,3337.32 ; 3956.85,3511.36 cw(c4065.49,3511.36) P1.2@3988.67,3588.18 ; 3956.85,3511.36 cw(c4065.49,3511.36) P1.2@3988.67,3588.18 ; 3956.85,3511.36 cw(c4065.49,3511.36) P1.2@3988.67,3588.18 ; 3956.85,3511.36 cw(c4065.49,3511.36) P1.2@3988.67,3588.18 ; 3956.85,3511.36 cw(c4065.49,3511.36) P1.2@3988.67,3588.18 ; 3956.85,3535.5 cw(c4041.35,3535.5) P1.2@3981.6,3595.25 ; 3956.85,3535.5 cw(c4041.35,3535.5) P1.2@3981.6,3595.25 ; 3956.85,3535.5 cw(c4041.35,3535.5) P1.2@3981.6,3595.25 ; 3956.85,3535.5 cw(c4041.35,3535.5) P1.2@3981.6,3595.25 ; 3956.85,3535.5 cw(c4041.35,3535.5) P1.2@3981.6,3595.25 ; 3956.85,3559.64 cw(c4017.21,3559.64) P1.2@3974.53,3602.32 ; 3956.85,3559.64 cw(c4017.21,3559.64) P1.2@3974.53,3602.32 ; 3956.85,3559.64 cw(c4017.21,3559.64) P1.2@3974.53,3602.32 ; 3956.85,3559.64 cw(c4017.21,3559.64) P1.2@3974.53,3602.32 ; 3956.85,3559.64 cw(c4017.21,3559.64) P1.2@3974.53,3602.32 ; U3.4@3966.48,3281.34 ccw(c3936.27,3317) 3983,3317 ; U3.4@3966.48,3281.34 ccw(c3936.27,3317) 3983,3317 ; U3.4@3966.48,3281.34 ccw(c3936.27,3317) 3983,3317 ; U3.4@3966.48,3281.34 ccw(c3936.27,3317) 3983,3317 ; U3.4@3966.48,3281.34 ccw(c3936.27,3317) 3983,3317 ; U3.4@3972.94,3273.71 ccw(c3954.55,3295.42) 3983,3295.42 ; U3.4@3972.94,3273.71 ccw(c3954.55,3295.42) 3983,3295.42 ; U3.4@3972.94,3273.71 ccw(c3954.55,3295.42) 3983,3295.42 ; U3.4@3972.94,3273.71 ccw(c3954.55,3295.42) 3983,3295.42 ; U3.4@3972.94,3273.71 ccw(c3954.55,3295.42) 3983,3295.42 ; 5367,4810 5408,4769 5408,4583 ; 5376,4310 5381,4310 5408,4337 5408,4583